# KiCad board JumperlessArduino.kicad_pcb (continued)
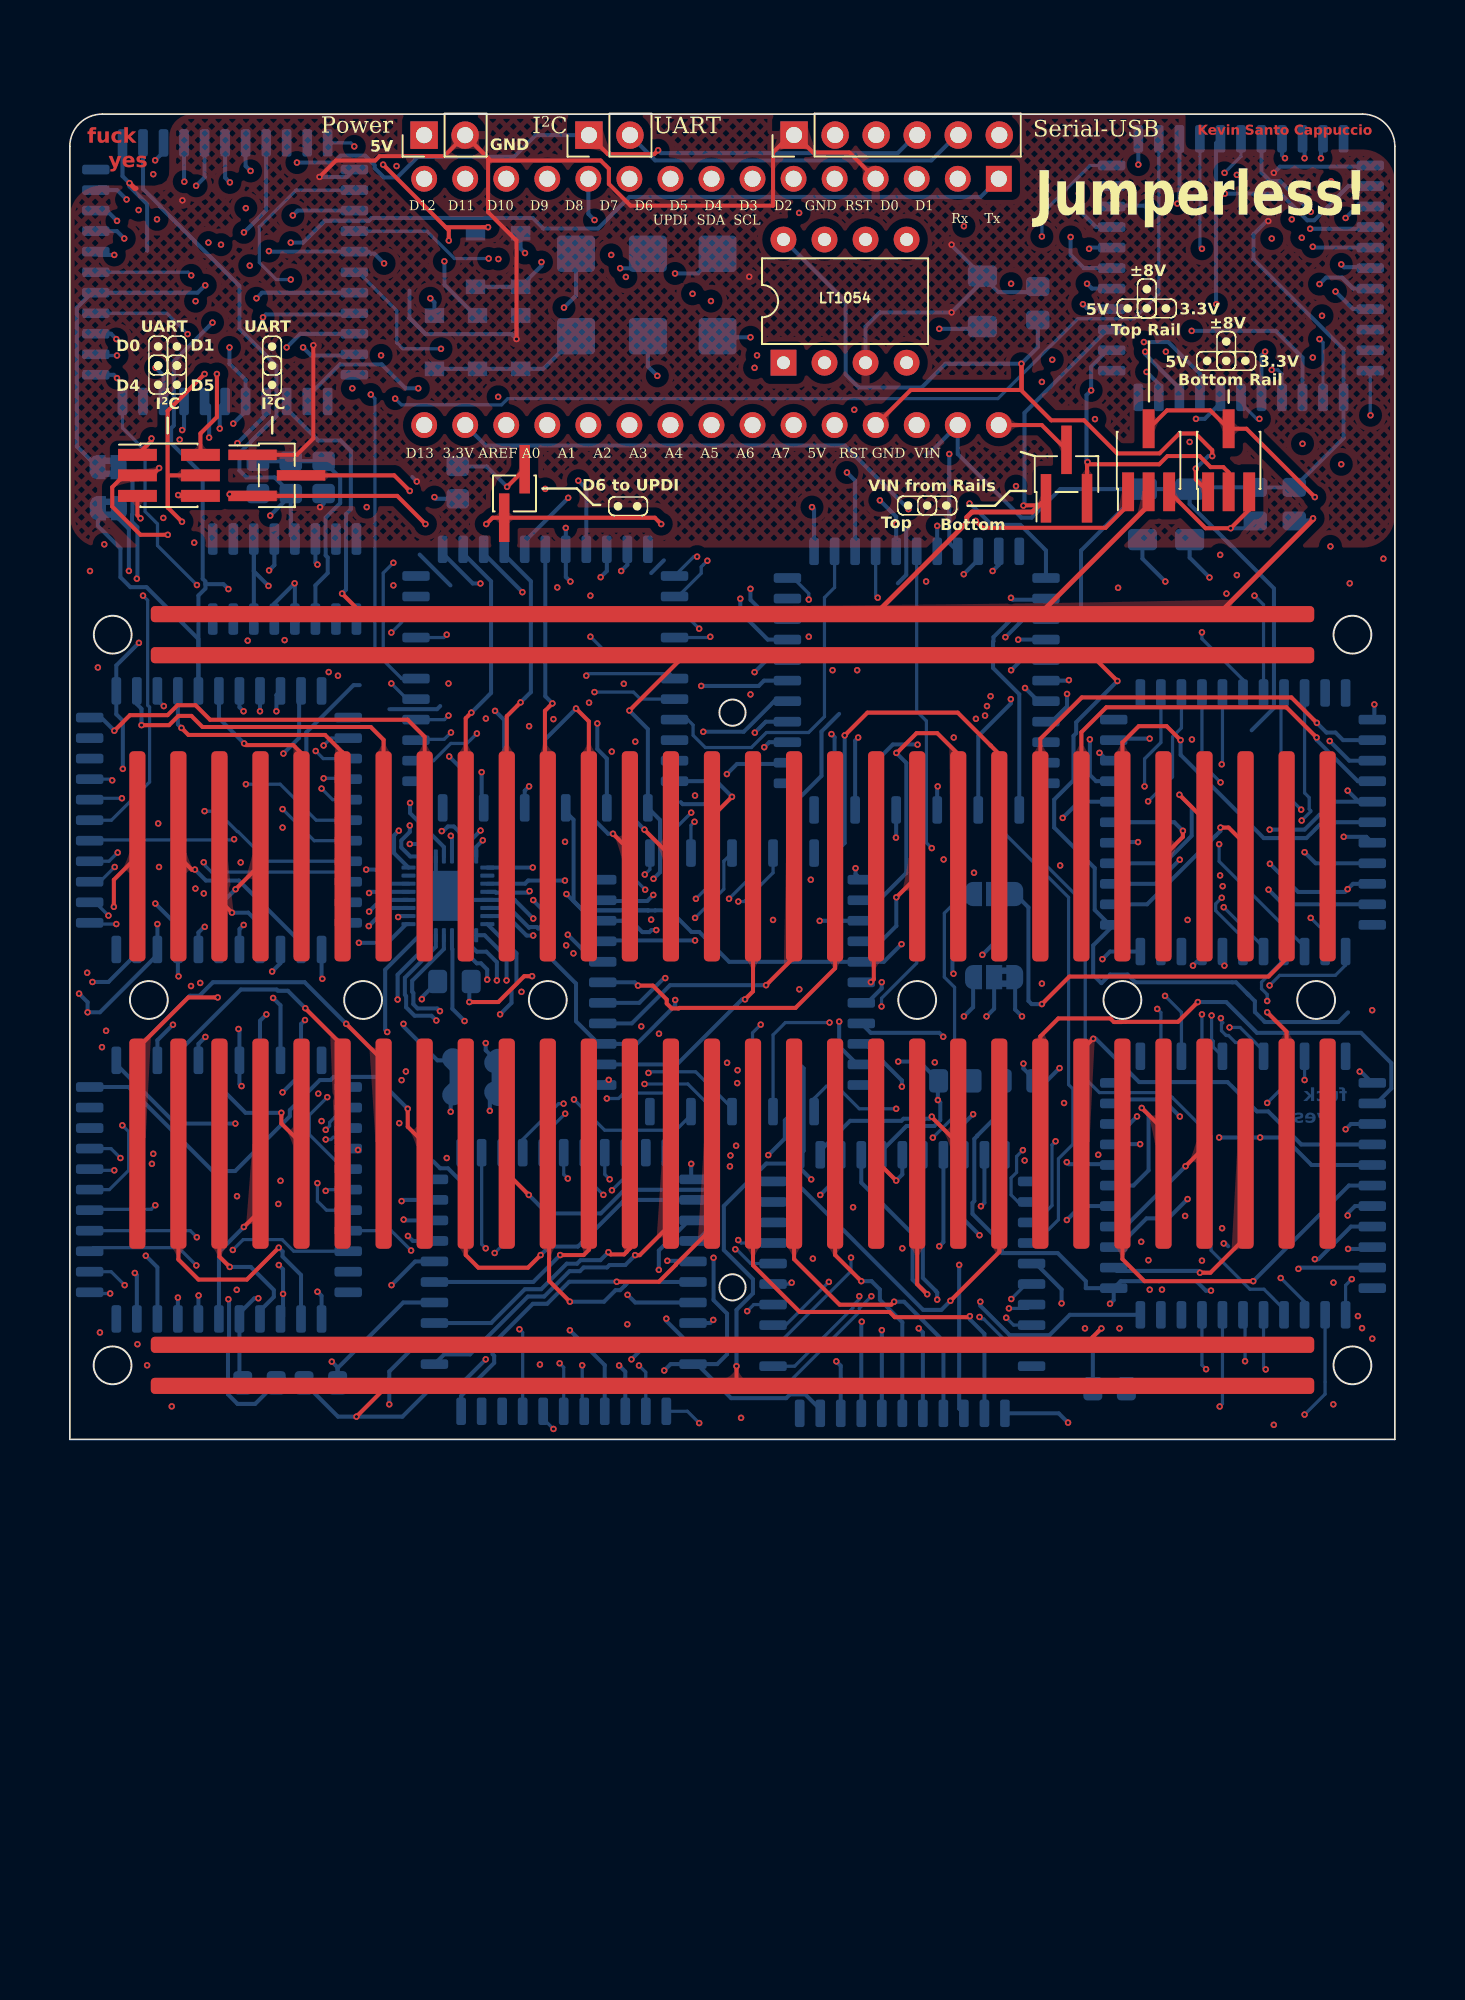
[diagram p0: board, top side]
## Routing (per net, layer and track width the routed paths; a pad name or vN(x,y) marks a point on that pad's centre or on a via; arc(x,y) is an arc through that point) (continued)
/EH0: length 80.7
  In1.Cu w0.2: v1(4.78,4.58) 2.5,6.87 v1(2.5,9.03)
  In2.Cu w0.2: v1(74.01,4.33) 73.57,3.89 70.57,3.89 70.52,3.84 70.11,3.84 70.06,3.89 38.12,3.89 37.24,4.76 36.21,4.76 35.52,4.07 4.91,4.07 4.91,4.45 v1(4.78,4.58)
  Bottom w0.2: v1(74.01,4.33) 73.87,4.46 H.11 ; E.7 1.3,9.03 v1(2.5,9.03)
/EH1: length 76.7
  In2.Cu w0.2: v1(3.39,9.54) 5.43,7.5 33.41,7.5 34.88,6.03 51.26,6.03 52.01,5.29 72.27,5.29 v1(72.73,4.84)
  Bottom w0.2: H.12 72.73,7.58 v1(72.73,4.84) ; E.8 2.56,10.37 v1(3.39,9.54)
/FG0: length 24.4
  In2.Cu w0.2: v1(26.29,11.53) 26.83,12.07 33.12,12.07 33.12,12.08 40.86,12.08 v1(41.18,11.76)
  Bottom w0.2: G.13 42.14,10.88 41.26,11.76 v1(41.18,11.76) ; 26.76,17.74 26.76,12 v1(26.29,11.53)
/FG1: length 24.2
  In2.Cu w0.2: v1(25.74,11.82) 25.95,12.03 26.19,12.03 26.64,12.47 32.95,12.47 32.96,12.48 41.21,12.48 v1(41.37,12.33)
  Bottom w0.2: G.14 41.55,12.15 v1(41.37,12.33) ; v1(25.74,11.82) 25.48,12.07 F.30
/FH0: length 40.7
  In2.Cu w0.2: v1(38.95,1.01) 39.87,1.93 71.06,1.93 v1(71.16,2.03)
  Bottom w0.2: v1(38.95,1.01) 38.22,1.74 F.7 ; H.13 71.33,2.2 v1(71.16,2.03)
/FH1: length 42.2
  In2.Cu w0.2: v1(70.32,4.34) 70.3,4.33 47.08,4.33 46.24,5.16 35.81,5.16 v1(35.22,4.57)
  Bottom w0.2: F.8 35.65,4.15 v1(35.22,4.57) ; H.14 70.06,4.59 v1(70.32,4.34)
/GH0: length 49.7
  In1.Cu w0.2: v1(67.78,27.44) 67.8,27.42 67.8,20.35 67.7,20.25 67.7,9.37 v1(67.59,9.26)
  In2.Cu w0.2: v1(49.6,8.86) 50.23,9.48 53.27,9.48 53.47,9.27 66.11,9.27 66.62,8.76 67.09,8.76 v1(67.59,9.26)
  Bottom w0.2: H.31 68.79,26.43 v1(67.78,27.44) ; v1(49.6,8.86) 48.86,8.11 48.86,7.89 44.23,3.26 G.7
/GH1: length 46.6
  In1.Cu w0.2: v1(67.3,26.64) 67.3,9.73 v1(66.83,9.26)
  In2.Cu w0.2: v1(48.86,8.86) 49.88,9.88 53.43,9.88 53.64,9.67 66.42,9.67 v1(66.83,9.26)
  Bottom w0.2: v1(67.3,26.64) 67.52,26.41 H.30 ; G.8 44.86,4.53 48.46,8.13 48.46,8.28 48.86,8.67 v1(48.86,8.86)
A0: length 75.4
  In1.Cu w0.25: v1(30.17,52.71) 30.17,61.01 29.55,61.63 A1.19 ; v1(66.76,76.08) 64.8,74.12 64.8,52.9 64.87,52.83 v1(64.87,52.69)
  In2.Cu w0.25: v1(64.87,52.69) 64.78,52.6 55.76,52.6 55.72,52.56 52.77,52.56 52.7,52.63 v1(42.12,52.63) 32.94,52.63 32.82,52.74 31.38,52.74 31.2,52.55 30.33,52.55 v1(30.17,52.71)
  Bottom w0.25: v1(66.76,76.08) 66.51,76.34 64.53,76.34 I.37 ; v1(42.12,52.63) 42.12,51.95 43.32,50.76 K.37
A1: length 53
  In1.Cu w0.25: v1(32.22,52.21) 32.09,52.33 A1.20
  In2.Cu w0.25: v1(32.22,52.21) 32.35,52.07 41.44,52.07 v1(41.49,52.02) ; A1.20 31.5,62.76 30.38,61.64 21.46,61.64 19.7,63.4 7.9,63.4 v1(6.95,62.45)
  Bottom w0.25: J.36 7.07,62.57 v1(6.95,62.45) ; K.36 43.19,49.49 41.49,51.18 v1(41.49,52.02)
A2: length 67.4
  In1.Cu w0.25: v1(34.41,71.93) 34.63,71.71 A1.21 34.65,62.74 34.65,47.12 v1(34.28,46.75)
  In2.Cu w0.25: v1(63.08,73.67) 61.55,72.14 42.66,72.14 42.14,72.67 35.15,72.67 v1(34.41,71.93) ; v1(42.38,47.47) 35,47.47 v1(34.28,46.75)
  Bottom w0.25: I.35 63.15,73.74 v1(63.08,73.67) ; K.35 43.12,48.22 v1(42.38,47.47)
A3: length 53.3
  In1.Cu w0.25: v1(39.07,46.62) 37.17,48.52 A1.22
  In2.Cu w0.25: A1.22 35.6,61.19 30.57,61.19 30.56,61.19 14.33,61.19 13.27,62.24 9.58,62.24 v1(9.28,62.54)
  Bottom w0.25: v1(39.07,46.62) 42.63,46.62 42.96,46.95 K.34 ; J.34 9.28,63.89 v1(9.28,62.54)
A4: length 60.5
  In1.Cu w0.25: v1(38.54,70.88) 38.54,63.93 A1.23 40.22,62.25 40.22,46.49 39.2,45.47 v1(39.2,43.78)
  In2.Cu w0.25: v1(38.54,70.88) 38.64,70.99 62.43,70.99 v1(62.95,71.51)
  Bottom w0.25: K.33 43.6,45.68 41.71,43.78 v1(39.2,43.78) ; v1(62.95,71.51) 63.26,71.2 I.33
A5: length 58.3
  In1.Cu w0.25: v1(42.39,43.73) 43.05,44.39 43.05,61.96 A1.24
  In2.Cu w0.25: A1.24 40.23,60.74 30.76,60.74 30.75,60.74 13.4,60.74 12.49,61.64 v1(10.37,61.64)
  Bottom w0.25: K.32 43.07,44.41 v1(42.39,43.73) ; J.32 12.15,63.42 v1(10.37,61.64)
A6: length 76.6
  In1.Cu w0.25: v1(45.73,49.67) 44.79,50.61 A1.25 ; v1(78.95,75.57) 79.49,75.04 79.49,68.13 79.22,67.87 79.22,60.24 79.21,60.22 v1(79.21,52.97)
  In2.Cu w0.25: v1(45.73,49.67) 57.87,49.67 v1(57.9,49.64) 58.31,50.05 59.78,50.05 60.41,49.41 75.65,49.41 v1(79.21,52.97)
  Bottom w0.25: I.9 79.66,76.28 v1(78.95,75.57) ; v1(57.9,49.64) 59.02,50.76 K.9
A7: length 91.3
  In1.Cu w0.25: v1(6.8,61.86) 6.43,62.23 6.43,77.16 v1(7.09,77.82) ; A1.26 47.33,47.72 v1(47.2,47.59)
  In2.Cu w0.25: v1(58.69,49.48) 57.6,48.4 48.01,48.4 v1(47.2,47.59) ; A1.26 47.33,61.63 45.9,60.2 40.96,60.2 40.6,59.84 31.13,59.84 31.1,59.82 8.84,59.82 v1(6.8,61.86)
  Bottom w0.25: K.10 58.7,49.49 v1(58.69,49.48) ; v1(7.09,77.82) 7.07,77.83 J.10
AI: length 107
  In1.Cu w0.2: v1(11.14,72.63) 11.01,72.5 11.01,61.35 10.27,60.62 10.27,60.52 7.44,57.69 7.44,55.94 7.2,55.69 7.2,55.28 7.37,55.11 7.37,52.13 8,51.49 8,43.78 7.84,43.61 7.84,36.15 v1(8.28,35.71)
  In2.Cu w0.2: v1(60.16,74.43) 58.76,73.03 43.39,73.03 42.38,74.05 29.6,74.05 28.52,72.96 28.52,72.8 27.57,71.85 25.69,71.85 25.27,72.26 11.5,72.26 v1(11.14,72.63)
  Bottom w0.2: A.37 16.63,35.1 8.77,35.1 8.39,35.49 8.39,35.6 v1(8.28,35.71) ; I.39 63.14,78.82 60.16,75.84 v1(60.16,74.43)
AJ: length 37.7
  In1.Cu w0.2: v1(8.34,38.87) 8.4,38.93 8.4,52.33 v1(7.87,52.86)
  Bottom w0.2: A.36 12.25,35.77 10.41,37.61 10.36,37.61 9.1,38.87 v1(8.34,38.87) ; v1(7.87,52.86) 5.43,55.3 5.43,56.64 4.66,57.41 4.66,61.18 3.26,62.58 J.39
AK: length 60.1
  In2.Cu w0.2: v1(4.53,52.21) 5.22,51.52 45.29,51.52 v1(45.73,51.96)
  Bottom w0.2: v1(4.53,52.21) 4.82,51.92 4.82,45.43 4.94,45.31 4.94,40.67 2.57,38.31 A.12 ; v1(45.73,51.96) 45.73,52.33 44.77,53.3 K.39
AREF: length 34
  In1.Cu w0.25: v1(26.52,73.03) 27.01,72.55 27.01,65.42 27.81,64.62 27.81,63.56 A1.18
  In2.Cu w0.25: v1(10.78,74.68) 14.03,74.68 14.1,74.76 25.2,74.76 26.52,73.44 v1(26.52,73.03)
  Bottom w0.25: J.14 12.15,76.05 10.79,74.68 v1(10.78,74.68)
AX0: length 395.2
  In1.Cu w0.25: v1(78.19,2.17) 76.03,4.33 v1(76.03,10.55) 75.12,11.46 75.12,12.44 75.02,12.54 75.02,33.17 v1(74.18,34.01) 74.77,34.6 74.77,35.44 75.46,36.14 75.46,73.11 74.45,74.13 74.45,74.23 v1(74.38,74.3) ; v1(4.02,10.3) 3.68,10.63 3.68,17.62 0.58,20.73 0.58,26.84 1.4,27.67 v1(1.4,28.3) 1.48,28.38 1.48,28.54 1.64,28.7 1.64,47.66 v1(1.74,47.76) ; v1(3.51,76.72) 3.45,76.65 3.45,75.12 1.96,73.64 1.96,73.24 1.25,72.53 v1(1.25,53.73) ; v1(36.11,33.69) 35.03,32.61 35.03,31.82 35.76,31.1 35.76,25.9 36.46,25.2 v1(36.46,25.1) 36.46,17.97 35.51,17.02 35.51,11.18 35.5,11.17 35.5,11.1 35.31,10.91 35.31,5.74 v1(36.79,4.26) ; v1(57.11,53.73) 55.55,52.17 55.55,44.37 55.72,44.2 55.72,35.3 v1(55.95,35.06) ; v1(76.24,74.35) 76.16,74.43 76.16,78 v1(77.43,79.27)
  In2.Cu w0.25: v1(1.74,47.76) 0.85,48.65 0.85,53.33 v1(1.25,53.73) ; v1(34.12,53.73) 34.14,53.71 52.18,53.71 52.53,54.06 56.78,54.06 v1(57.11,53.73) ; v1(36.46,25.1) 36.27,24.91 35.41,24.91 35.27,24.76 33.73,24.76 33.35,24.38 26.62,24.38 25.78,25.22 23.38,25.22 v1(22.68,25.92) ; v1(74.18,34.01) 72.75,35.45 71,35.45 70.53,34.98 56.03,34.98 v1(55.95,35.06) ; v1(76.24,74.35) 76.19,74.3 v1(74.38,74.3) ; v1(78.19,2.17) 77.93,2.43 71.5,2.43 71.38,2.56 70.94,2.56 70.82,2.43 38.62,2.43 v1(36.79,4.26) ; v1(39.84,11.24) 39.84,11.39 39.63,11.59 35.72,11.59 35.72,10.78 21.04,10.78 20.51,11.31 12.72,11.31 12.6,11.19 9.87,11.19 9.76,11.31 5.39,11.31 4.38,10.3 v1(4.02,10.3)
  Bottom w0.25: U2.6 22.65,30.48 20.74,28.57 20.74,27.51 20.81,27.43 20.81,26.74 21.34,26.21 22.39,26.21 v1(22.68,25.92) ; E.5 4.15,10.17 v1(4.02,10.3) ; v1(1.4,28.3) 2.39,28.3 4.15,30.06 A.5 ; F.5 37.18,4.66 v1(36.79,4.26) ; F.5 40.06,4.66 40.67,5.27 40.67,7.78 39.84,8.62 v1(39.84,11.24) ; F.5 38.82,4.66 40.93,2.55 44.33,2.55 44.57,2.78 45.52,2.78 46.44,1.86 G.5 ; v1(36.11,33.69) 35.73,33.31 33.03,33.31 C.5 ; D.5 75.09,33.1 v1(74.18,34.01) ; v1(3.51,76.72) 2.93,77.3 J.5 ; H.5 76.11,10.63 v1(76.03,10.55) ; B.5 34.5,54.11 v1(34.12,53.73) ; v1(77.43,79.27) 77.43,80.35 77.56,80.47 ; v1(57.11,53.73) 57.49,54.11 K.5
AX1: length 286.9
  In1.Cu w0.25: v1(10.33,9.25) 11.06,9.25 11.33,9.53 11.33,13.32 11.19,13.47 11.19,21.3 v1(10.63,21.86) ; v1(51.13,37.23) 50.62,36.73 50.62,28.66 v1(50.25,28.29) ; v1(27.95,27.69) 27.95,29.29 27.7,29.54 27.7,39.68 v1(28.42,40.4) 28.2,40.63 28.2,43.9 v1(28.42,44.13) ; v1(11.55,70.6) 11.43,70.49 11.43,61.17 10.7,60.44 10.7,60.35 10.42,60.07 10.42,45.39 v1(10.75,45.05) 10.26,44.56 10.26,40.43 11.14,39.55 11.14,32.95 9.84,31.65 9.84,29.93 10.55,29.22 10.55,25.5 v1(10.44,25.39) ; v1(62.82,6.87) 62.82,16.03 v1(61.69,17.15) 62.42,17.88 62.42,37.48 v1(61.44,38.45) 61.44,45.11 63.52,47.19 63.52,63.05 v1(63.44,63.13)
  In2.Cu w0.25: v1(63.44,63.13) 69.67,63.13 v1(69.69,63.14) ; v1(28.42,44.13) 28.37,44.08 25.53,44.08 25.35,44.26 11.54,44.26 v1(10.75,45.05) ; v1(61.44,38.45) 60.22,37.23 v1(51.13,37.23) ; v1(20.29,27.21) 21.07,27.99 24.91,27.99 25.48,27.42 27.68,27.42 v1(27.95,27.69) ; v1(10.33,9.25) 12.71,9.25 13.17,9.72 19.73,9.72 v1(19.91,9.54) 20.41,9.04 32.57,9.04 33.2,8.42 34.73,8.42 34.83,8.52 40.54,8.52 41.7,7.36 42.26,7.36 42.71,7.81 52.84,7.81 v1(53.68,8.65) 55.71,6.61 62.57,6.61 v1(62.82,6.87)
  Bottom w0.25: v1(28.42,40.4) 28.15,40.13 B.24 ; v1(20.29,27.21) 20.29,28.75 22.15,30.62 U2.7 ; v1(10.63,21.86) 10.5,21.99 E.24 10.5,25.33 v1(10.44,25.39) ; I.24 71.2,64.12 70.23,63.14 v1(69.69,63.14) ; A.24 10.5,45.31 v1(10.75,45.05) ; H.24 64.55,17.03 61.82,17.03 v1(61.69,17.15) ; K.24 51.14,37.25 v1(51.13,37.23) ; F.24 21.37,11.01 v1(19.91,9.54) ; C.24 49.35,27.01 50.25,27.91 v1(50.25,28.29) ; G.24 52.79,9.99 53.58,9.2 53.58,9.18 53.68,9.08 v1(53.68,8.65) ; v1(11.55,70.6) 11.9,70.95 J.24 ; D.24 62.45,39.46 v1(61.44,38.45)
AX2: length 256.3
  In1.Cu w0.25: v1(20.92,12.59) 19.25,14.26 19.25,24.81 v1(19.64,25.21) ; v1(66.24,18.27) 66.24,12.29 v1(66.3,12.23) ; v1(52.46,42.99) 52.45,42.98 52.45,36.16 54.16,34.45 54.16,25.02 v1(54.05,24.91) 54.47,24.49 54.47,12.62 v1(53.81,11.95) ; v1(63.12,43.31) 63.12,43.62 65.42,45.91 65.42,67.25 66.07,67.9 v1(66.47,67.9) ; v1(11.96,69.43) 12.09,69.29 12.09,61.2 11.77,60.88 v1(11.77,45.05) 11.79,45.03 11.79,29.9 11.45,29.56 11.45,27.02 v1(12.17,26.3)
  In2.Cu w0.25: v1(20.92,12.59) 22.73,12.59 23.31,13.17 26.17,13.17 26.3,13.3 32.61,13.3 32.62,13.31 41.7,13.31 42.48,12.52 53.23,12.52 v1(53.81,11.95) 55.67,11.95 55.91,11.71 65.79,11.71 v1(66.3,12.23) ; v1(19.64,25.21) 18.96,24.52 13.94,24.52 v1(12.17,26.3) ; v1(26.31,45.08) 25.45,45.94 24.45,45.94 24.3,45.8 13.02,45.8 12.89,45.67 12.39,45.67 v1(11.77,45.05) ; v1(52.46,42.99) 52.55,42.9 62.71,42.9 v1(63.12,43.31)
  Bottom w0.25: H.25 64.62,18.27 v1(66.24,18.27) ; K.25 49.87,41.93 50.93,43 52.45,43 v1(52.46,42.99) ; v1(63.12,43.31) 63.12,41.11 63.51,40.72 D.25 ; B.25 26.88,44.51 v1(26.31,45.08) ; G.25 54.06,12.2 v1(53.81,11.95) ; v1(54.05,24.91) 53.81,25.16 49.56,25.16 C.25 ; F.25 21.23,12.28 v1(20.92,12.59) ; E.25 11.77,25.9 v1(12.17,26.3) ; U2.8 19.52,29.06 19.52,25.33 v1(19.64,25.21) ; A.25 v1(11.77,45.05) ; J.25 17.53,69.61 12.13,69.61 v1(11.96,69.43) ; 69.94,64.47 69.94,65.94 67.98,67.9 v1(66.47,67.9)
AX3: length 358.1
  In1.Cu w0.25: v1(79.08,34.04) 81.12,32 81.12,13.8 v1(79.1,11.78) 80.98,9.9 80.98,6.61 v1(80.6,6.23) ; v1(55.32,53.53) 54.11,52.32 54.11,40.97 54.23,40.85 54.23,36.04 v1(54.07,35.88) ; v1(72.22,78.24) 73.22,77.24 73.22,74.72 75.02,72.93 75.02,36.36 v1(74.27,35.61) ; v1(1.1,26.43) 1.1,20.84 4.13,17.8 4.13,11.93 v1(4.7,11.36) ; v1(36.91,7.47) 35.76,8.63 35.76,10.72 35.94,10.91 35.94,10.98 35.96,11 35.96,16.83 37.03,17.91 37.03,26.88 36.94,26.97 36.94,26.99 36.33,27.6 36.33,31.48 v1(36.29,31.51) ; v1(0.57,27.58) 0.55,27.6 0.55,29.09 0.59,29.13 0.59,73 2.92,75.33 v1(2.92,75.4)
  In2.Cu w0.25: v1(55.32,53.53) 55.24,53.61 52.71,53.61 52.26,53.15 33.05,53.15 v1(32.85,53.35) ; v1(76.41,79.27) 74.98,77.84 74.29,77.84 74.04,78.1 72.36,78.1 v1(72.22,78.24) ; v1(54.07,35.88) 54.22,36.03 67.9,36.03 68.31,36.44 70.2,36.44 70.75,35.9 73.99,35.9 v1(74.27,35.61) ; v1(80.6,6.23) 79.59,6.23 79.29,5.94 79.18,5.93 78.94,5.87 78.71,5.77 78.5,5.63 78.32,5.45 78.2,5.26 73.9,5.26 72.95,4.31 72.51,4.31 71.96,4.86 47.47,4.86 v1(47.44,4.83) 46.68,5.58 35.39,5.58 v1(34.76,4.95) ; v1(5.42,31.89) 6.13,32.6 9.29,32.6 9.82,33.13 9.86,33.13 9.88,33.11 10.64,33.11 10.65,33.13 14.79,33.13 17.2,30.73 v1(17.89,30.73) 17.97,30.65 29.08,30.65 30.18,31.76 31.03,31.76 31.15,31.63 36.17,31.63 v1(36.29,31.51)
  Bottom w0.25: E.4 5.42,10.65 v1(4.7,11.36) ; v1(5.42,31.89) A.4 5.42,29.98 1.86,26.43 v1(1.1,26.43) 1.1,27.05 v1(0.57,27.58) ; U2.9 20.82,31.88 19.67,30.73 v1(17.89,30.73) ; K.4 56.22,54.43 v1(55.32,53.53) ; v1(32.85,53.35) 33.23,53.73 33.23,55.07 ; v1(36.91,7.47) 36.91,7.33 38.31,5.93 F.4 35.73,5.93 v1(34.76,4.95) ; D.4 79.41,34.38 v1(79.08,34.04) 78.91,33.87 76.01,33.87 v1(74.27,35.61) ; v1(47.44,4.83) 47.71,4.55 G.4 ; J.4 2.29,76.03 v1(2.92,75.4) ; H.4 80.49,11.78 v1(79.1,11.78) ; C.4 34.73,32.09 35.43,31.39 35.86,31.39 35.99,31.51 v1(36.29,31.51) ; I.4 76.41,80.35 v1(76.41,79.27)
AY0: length 244.2
  In1.Cu w0.25: v1(54.7,43.43) 54.7,35.33 55.95,34.08 55.95,20.16 v1(55.9,20.12) ; v1(13.42,67.56) 13.44,67.54 13.44,53.21 12.77,52.54 12.77,45.07 v1(12.79,45.05) 12.24,44.51 12.24,29.64 11.94,29.34 11.94,27.95 v1(12.58,27.31) 12.69,27.2 12.69,26.07 12.39,25.77 12.39,25.77 12.12,25.5 12.12,15.35 v1(12.9,14.57) ; v1(63.72,42.48) 63.72,43.58 66,45.85 66,66.75 v1(66.55,67.3) ; v1(25.48,41.28) 25.75,41.55 v1(25.75,44.6)
  In2.Cu w0.25: v1(25.48,41.28) 23.58,39.38 v1(21.06,39.38) ; v1(12.79,45.05) 12.91,45.05 13.21,45.35 24.49,45.35 24.63,45.49 25.07,45.49 25.75,44.81 v1(25.75,44.6) ; v1(12.9,14.57) 12.96,14.57 13.93,13.6 v1(20.66,13.6) 21.08,14.02 25.82,14.02 25.95,14.15 32.26,14.15 32.27,14.15 42.05,14.15 42.73,13.47 55.46,13.47 v1(56.3,12.63) ; v1(48.79,43.43) 48.88,43.51 54.61,43.51 v1(54.7,43.43) 62.5,43.43 62.91,43.84 63.34,43.84 63.72,43.46 v1(63.72,42.48) ; v1(51.49,21.82) 51.87,21.82 53.2,20.5 53.56,20.5 53.82,20.24 55.78,20.24 v1(55.9,20.12) 55.99,20.2 65.82,20.2 v1(66.04,19.98)
  Bottom w0.25: v1(25.48,41.28) 25.48,39.2 B.26 ; 13.04,46.31 12.79,46.06 v1(12.79,45.05) ; v1(51.49,21.82) 51.49,22.21 49.23,24.47 C.26 ; v1(12.58,27.31) 13.04,26.85 13.04,23.45 ; v1(48.79,43.43) 48.6,43.24 K.26 ; I.26 68.67,65.03 66.55,67.15 v1(66.55,67.3) ; v1(63.72,42.48) 64.2,42 D.26 ; J.26 14.27,68.41 v1(13.42,67.56) ; v1(20.66,13.6) 20.71,13.55 F.26 ; U2.20 23.15,36.65 21.06,38.75 v1(21.06,39.38) ; v1(66.04,19.98) 65.58,19.52 H.26 ; v1(55.9,20.12) 55.33,19.55 G.26 55.33,13.6 v1(56.3,12.63)
AY1: length 241.1
  In1.Cu w0.25: v1(69.02,13.82) 68.52,14.32 68.52,19.8 v1(68.69,19.98) ; v1(13.17,21.47) 12.57,20.87 12.57,16.47 v1(13.04,16) ; v1(48.47,14.36) 48.47,24.99 v1(47.61,25.85) 47.54,25.92 47.54,26.01 47.34,26.21 47.34,32.46 47.25,32.55 47.25,43.53 v1(47.13,43.64) ; v1(14.44,67.56) 14.44,43.65 v1(13.22,42.43) 14.04,41.61 14.04,26.46 v1(14.55,25.95) ; v1(23.58,37.35) 23.58,42.15 v1(23.48,42.25) ; v1(66.82,43.36) 66.63,43.55 v1(66.63,66.05)
  In2.Cu w0.25: v1(66.82,43.36) 65.9,44.29 62.23,44.29 62,44.05 48.2,44.05 48.17,44.08 47.58,44.08 v1(47.13,43.64) ; v1(69.02,13.82) 68.33,14.51 56.47,14.51 v1(56.38,14.42) 56.32,14.36 v1(48.47,14.36) 42.48,14.36 42.24,14.6 32.08,14.6 32.07,14.6 20.68,14.6 v1(20.53,14.74) 14.18,14.74 13.17,15.76 13.17,15.87 v1(13.04,16) ; v1(13.22,42.43) 14.24,43.46 22.27,43.46 v1(23.48,42.25)
  Bottom w0.25: v1(23.58,37.35) 23.65,37.28 U2.21 ; v1(47.61,25.85) 47.61,24.31 48.73,23.2 48.98,23.2 ; v1(13.17,21.47) 14.31,22.62 E.27 14.31,25.7 v1(14.55,25.95) ; v1(66.82,43.36) 64.69,43.36 64.6,43.26 ; v1(23.48,42.25) 24.34,41.39 B.27 ; v1(14.44,67.56) 14.94,67.06 17.53,67.06 J.27 ; v1(47.13,43.64) 47.33,43.44 K.27 ; A.27 14.19,46.19 14.19,43.41 v1(13.22,42.43) ; F.27 20.61,14.82 v1(20.53,14.74) ; v1(66.63,66.05) 67.39,65.29 I.27 ; v1(68.69,19.98) 67.64,21.03 65.58,21.03 65.33,20.79 H.27 ; v1(56.38,14.42) 56.6,14.64 G.27
AY2: length 336
  In1.Cu w0.25: v1(30.82,31.23) 29.98,32.06 29.98,34.66 30.65,35.32 v1(30.65,36.98) 30.62,37 30.62,45.26 30.98,45.61 v1(30.98,53.08) ; v1(79.97,6.88) 80.24,7.15 80.24,8.26 78.81,9.69 78.81,9.83 78.15,10.49 78.15,12.92 v1(79.08,13.85) 79.48,14.25 79.48,22.13 79.3,22.31 79.3,31.43 77.65,33.08 77.65,35.39 78.83,36.57 v1(78.83,37.28) 78.15,37.96 78.15,40.52 78.54,40.9 78.54,44.6 78.01,45.13 v1(78.01,55.25) 78.02,55.26 78.02,69.9 77.78,70.14 77.78,71.19 77.86,71.27 77.86,71.7 77.54,72.02 77.54,75.21 v1(76.79,75.95) ; v1(34.5,7.12) 34.5,8.93 v1(34.52,8.94) ; v1(7.97,8.9) 9.09,10.03 9.09,12.71 9.07,12.74 9.07,26.52 9.68,27.13 9.68,28.85 8.35,30.17 v1(8.35,31.71) 9.01,32.37 9.01,44.72 9.26,44.98 9.26,53.92 v1(7.7,55.49) ; v1(2.13,55.38) 1.95,55.57 1.95,72.48 v1(2.75,73.29)
  In2.Cu w0.25: v1(53.68,56.52) 53.9,56.31 68.82,56.31 69.51,55.62 77.65,55.62 v1(78.01,55.25) ; v1(34.52,8.94) 33.91,8.94 33.36,9.49 20.7,9.49 19.93,10.26 12.72,10.26 12.68,10.3 10.55,10.3 10.4,10.14 9.21,10.14 v1(7.97,8.9) ; v1(30.69,56.4) 29.68,55.38 7.8,55.38 v1(7.7,55.49) 7.59,55.38 v1(2.13,55.38) ; v1(34.5,7.12) 35.16,6.46 49.95,6.46 v1(50.25,6.76) 51.14,6.76 52.01,5.89 52.51,5.89 52.69,5.71 77.95,5.71 78.31,6.08 78.34,6.08 78.35,6.1 78.49,6.16 78.61,6.25 78.64,6.24 78.65,6.27 78.79,6.3 78.92,6.36 78.95,6.35 78.97,6.37 79.1,6.38 79.52,6.8 79.88,6.8 v1(79.97,6.88) ; v1(23.01,37.64) 23.01,37.17 23.64,36.54 27.45,36.54 27.89,36.98 v1(30.65,36.98)
  Bottom w0.25: v1(8.35,31.71) 8.31,31.71 7.96,31.36 A.2 ; J.2 1.81,73.29 v1(2.75,73.29) ; v1(23.01,37.64) 23.11,37.64 23.39,37.92 23.77,37.92 24.15,37.54 U2.22 ; G.2 v1(50.25,6.76) ; v1(76.79,75.95) 74.9,77.84 74.29,77.84 73.75,78.39 I.2 ; C.2 32.5,29.55 v1(30.82,31.23) ; E.2 7.96,8.89 v1(7.97,8.9) ; v1(30.69,56.4) 30.69,53.36 v1(30.98,53.08) ; H.2 79.54,14.44 79.08,13.98 v1(79.08,13.85) ; v1(78.83,37.28) 80.23,37.28 D.2 ; F.2 34.99,8.47 v1(34.52,8.94) ; K.2 53.68,54.95 v1(53.68,56.52)
BI: length 78
  In1.Cu w0.2: v1(20.02,54.24) 20.02,64.29 v1(20.13,64.4)
  Bottom w0.2: v1(20.13,64.4) 20.52,64.01 26.72,64.01 27.1,64.4 57.43,64.4 62.37,69.33 65.85,69.33 67.39,70.88 I.41 ; B.35 19.83,48.34 19.4,48.78 19.4,53.61 v1(20.02,54.24)
BJ: length 37.3
  In2.Cu w0.2: v1(18.63,64.65) 16.21,67.06 2.92,67.06 v1(2.92,67.06)
  Bottom w0.2: v1(2.92,67.06) 1.68,67.06 J.41 ; B.34 20.53,47.07 18.88,48.73 18.88,64.4 v1(18.63,64.65)
BK: length 21.6
  Bottom w0.2: B.14 38.24,44.53 38.57,44.2 38.57,43.56 39.33,42.81 42.18,42.81 43.11,43.74 45.72,43.74 46.7,44.72 46.7,52.09 47.33,52.71 K.41
BOTTOM_RAIL: length 161.1
  Top w0.25: JP6.2 71.71,59.83 71.38,60.16 70.6,60.16 69.91,60.84 67.93,60.84 67.42,60.33 62.95,60.33 JP1.3 62.95,60.44 v1(62.98,60.47) ; J5.63 62.82,5.85 v1(63.84,6.87)
  In1.Cu w0.25: v1(63.84,6.87) 63.84,15.96 63.05,16.75 63.05,18.58 63.87,19.4 63.87,25.02 63.38,25.51 63.38,40.78 62.11,42.05 62.11,44.41 64.12,46.41 64.12,63.99 v1(63.2,64.91)
  In2.Cu w0.25: v1(63.2,64.91) 50.89,64.91 50.48,65.31 46.28,65.31 46,65.03 v1(21.56,65.03)
  Bottom w0.25: v1(21.56,65.03) 20.79,65.03 19.3,66.52 16.71,66.52 14.69,64.49 J.30 ; C9.2 63.31,6.34 v1(63.84,6.87) ; I.30 64.22,67.39 63.2,66.37 v1(63.2,64.91) 62.92,64.62 62.92,60.54 v1(62.98,60.47)
CI: length 88.2
  In1.Cu w0.2: v1(70.06,73.67) 70.38,73.35 70.38,61.32 70.19,61.13 70.19,53.81 69.47,53.09 69.47,44.54 70.27,43.75 70.27,40.06 69.87,39.67 69.87,32.84 v1(69.17,32.14) ; v1(43.52,32.14) 43.66,32 43.66,26.57 v1(42.76,25.66)
  In2.Cu w0.2: v1(43.52,32.14) 45.76,32.14 46.2,32.58 68.73,32.58 v1(69.17,32.14)
  Bottom w0.2: C.33 42.25,25.16 v1(42.76,25.66) ; 69.94,80.47 69.94,73.8 v1(70.06,73.67)
CJ: length 94.4
  In1.Cu w0.2: v1(47.02,25.79) 46.92,25.89 46.92,32.28 46.61,32.58 46.51,32.58 46.43,32.66 46.43,57.89 46.23,58.09 46.23,63.34 45.17,64.4 44.28,64.4 42.88,65.8 42.88,66.72 v1(42.53,67.07)
  In2.Cu w0.2: v1(7.29,68.39) 7.48,68.58 27.85,68.58 29.36,67.07 v1(42.53,67.07)
  Bottom w0.2: v1(47.02,25.79) 44.28,25.79 43.52,25.03 C.32 ; v1(7.29,68.39) 6,69.68 J.43
CK: length 42.6
  In1.Cu w0.2: v1(51.14,20.46) 49.07,22.52 49.07,28.5 50,29.42 v1(50,52.08)
  Bottom w0.2: K.43 49.87,52.21 v1(50,52.08) ; C.30 46.06,21.09 46.82,21.85 47.46,21.85 48.85,20.46 v1(51.14,20.46)
CS_A: length 17.4
  In2.Cu w0.25: v1(26.43,28.4) 26.43,28.2 26.1,27.87 25.66,27.87 24.7,28.84 15.97,28.84 v1(15.63,28.5)
  Bottom w0.25: v1(26.43,28.4) 26.43,29.53 25.78,30.18 25.18,30.18 24.65,30.71 U2.2 ; A.40 15.58,28.55 v1(15.63,28.5)
CS_B: length 32.5
  In1.Cu w0.25: v1(25.41,52.96) 26.84,51.53 26.84,29.73 25.83,28.72 v1(25.83,28.45)
  Bottom w0.25: U2.3 24.15,30.49 25.19,29.46 25.44,29.46 25.83,29.07 v1(25.83,28.45) ; B.40 23.07,54.82 24.94,52.96 v1(25.41,52.96)
CS_C: length 21.9
  In1.Cu w0.25: v1(35.36,25.55) 33.35,23.54 v1(33.35,22.24)
  In2.Cu w0.25: v1(35.36,25.55) 35.02,25.21 33.55,25.21 33.16,24.83 26.8,24.83 25.96,25.67 24.64,25.67 v1(24.43,25.88)
  Bottom w0.25: C.40 33.29,22.24 v1(33.35,22.24) ; v1(24.43,25.88) 23.67,26.64 23.67,30.34 23.65,30.36 U2.4
CS_D: length 89.7
  In1.Cu w0.25: v1(80.59,26.55) 80.59,31.34 78.49,33.44 78.49,35.04 80.73,37.27 v1(80.73,45.47)
  In2.Cu w0.25: v1(22.91,26.5) 24.9,26.5 25.25,26.84 26.97,26.84 28.53,25.28 32.98,25.28 33.91,26.21 42.15,26.21 42.31,26.37 47.83,26.37 49.25,24.95 53.1,24.95 53.1,24.96 53.36,24.96 53.95,25.55 63.31,25.55 64.04,24.82 71.06,24.82 71.36,24.52 78.56,24.52 v1(80.59,26.55)
  Bottom w0.25: v1(22.91,26.5) 22.74,26.66 21.52,26.66 21.26,26.92 21.26,27.62 21.19,27.69 21.19,28.38 23.15,30.34 U2.5 ; D.40 80.73,44.66 v1(80.73,45.47)
CS_E: length 46.2
  In1.Cu w0.25: v1(13.17,37.85) 13.59,37.43 13.59,26.17 14.14,25.62 14.14,10.32 v1(15.33,9.14)
  In2.Cu w0.25: v1(13.17,37.85) 13.82,38.51 24.58,38.51 v1(25.42,37.67)
  Bottom w0.25: v1(25.42,37.67) 24.65,36.9 U2.23 ; v1(15.33,9.14) 15.58,8.88 E.40
CS_F: length 40
  In1.Cu w0.25: v1(38.69,39.84) 37.91,39.06 37.91,30.91 38.76,30.06 38.76,17.35 v1(38.46,17.05)
  In2.Cu w0.25: v1(25.56,37.07) 28.25,39.76 38.61,39.76 v1(38.69,39.84)
  Bottom w0.25: v1(25.56,37.07) 25.15,36.66 U2.24 ; v1(38.46,17.05) 38.46,16.2 F.40
CS_G: length 76
  In1.Cu w0.25: v1(61.77,1.03) 61.9,1.16 61.9,10.41 60.48,11.83 60.48,22.94 61.29,23.75 v1(61.29,35.51)
  In2.Cu w0.25: v1(61.29,35.51) 61.21,35.58 55.48,35.58 55.25,35.35 50.25,35.35 49.27,36.33 47.93,36.33 47.23,35.63 28.9,35.63 v1(28.65,35.38)
  Bottom w0.25: U2.25 28.65,35.38 v1(28.65,35.38) ; G.40 61.2,1.61 v1(61.77,1.03)
CS_H: length 79.4
  In1.Cu w0.25: v1(18.5,31.76) 19.76,30.5 19.76,25.88 20.19,25.45 20.19,25.01 19.76,24.58 19.76,20.19 v1(20.39,19.57)
  In2.Cu w0.25: v1(79.82,22.76) 79.6,22.76 74.99,18.15 70.91,18.15 70.6,18.46 70.6,18.64 70.05,19.19 24.1,19.19 23.73,19.57 v1(20.39,19.57)
  Bottom w0.25: U2.11 19.62,32.88 v1(18.5,31.76) ; H.40 79.9,22.76 v1(79.82,22.76)
CS_I: length 97.8
  In1.Cu w0.25: v1(20.22,78.79) 20.37,78.63 20.37,71.73 20.21,71.57 20.21,67.28 19.23,66.3 19.23,33.37 v1(18.52,32.66)
  In2.Cu w0.25: v1(66.12,78.88) 65.43,79.57 54.3,79.57 53.96,79.24 20.67,79.24 v1(20.22,78.79)